# KiCad board KlusterLab r2.0.kicad_pcb (continued)
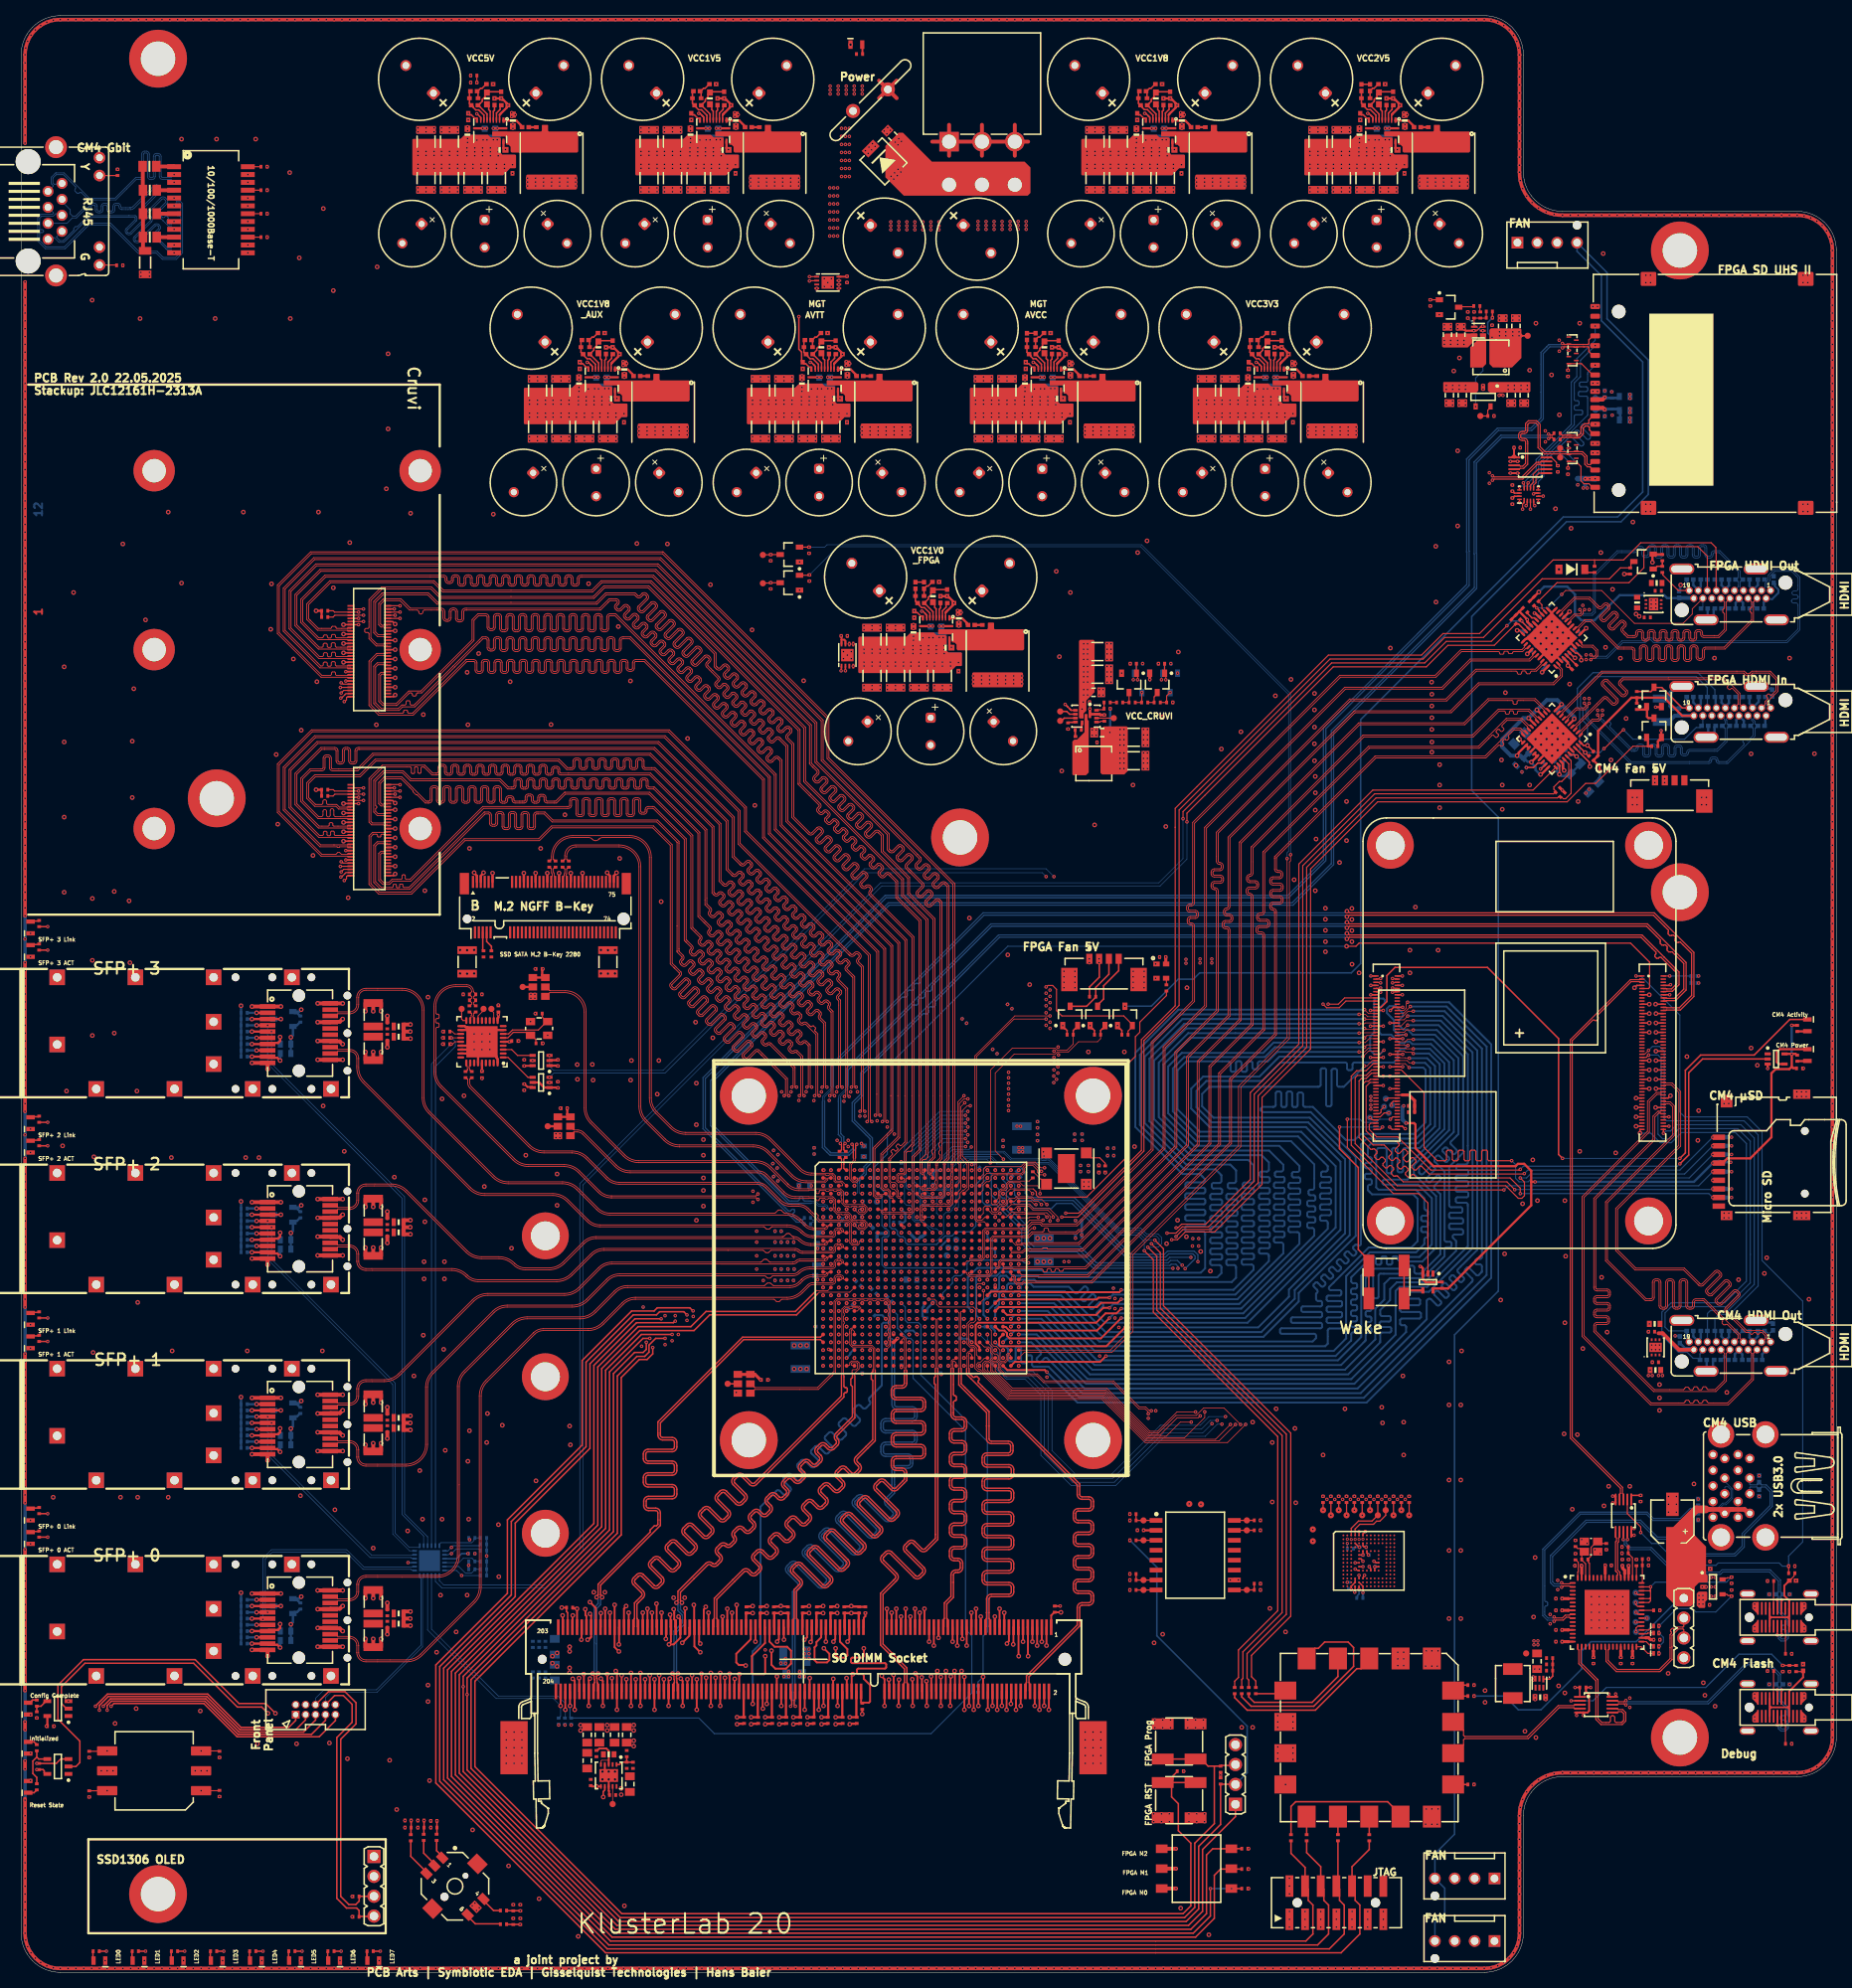
[diagram p0: board, top side]
## Routing (per net, layer and track width the routed paths; a pad name or vN(x,y) marks a point on that pad's centre or on a via; arc(x,y) is an arc through that point) (continued)
DDR3_DQS3_P: length 65.5
  L1 Top w0.1: U1.Y15 116.84,83.5 116.9,83.44 116.9,77.2 116.84,77.14
  L1 Top w0.189: J1.64 112.83,35.98 112.83,36.96 112.89,37.02 112.89,38.76 109.84,41.81 109.84,48.44 111.7,50.3 arc(111.79,50.51) 111.7,50.72 110.02,52.41 arc(109.84,52.84) 110.02,53.27 110.44,53.69 arc(110.87,53.87) 111.31,53.69 114.33,50.67 arc(114.54,50.59) 114.75,50.67 115.17,51.09 arc(115.25,51.3) 115.17,51.51 112.93,53.75 arc(112.76,54.18) 112.93,54.61 113.35,55.03 arc(113.79,55.21) 114.22,55.03 115.12,54.14 arc(115.33,54.05) 115.54,54.14 116.84,55.44 116.84,55.94 116.84,75.1 116.7,75.24 116.7,76 116.84,76.14 116.84,77.14
DDR3_DQS4_N: length 70
  L1 Top w0.1: 109.16,76.94 109.1,77 109.1,79.75 108.75,80.1 106.3,80.1 106.1,80.3 106.1,82.04 106.16,82.1 106.27,82.1 106.5,81.87 U1.AB5
  L1 Top w0.189: J1.135 88.97,44.18 88.97,45.16 88.91,45.22 88.91,47.66 92.42,51.17 arc(92.63,51.26) 92.84,51.17 93.18,50.83 arc(93.62,50.65) 94.05,50.83 94.47,51.25 arc(94.65,51.68) 94.47,52.12 93.77,52.81 arc(93.69,53.02) 93.77,53.23 94.19,53.65 arc(94.4,53.74) 94.61,53.65 95.31,52.96 arc(95.74,52.78) 96.18,52.96 96.6,53.38 arc(96.78,53.81) 96.6,54.24 95.9,54.94 arc(95.81,55.15) 95.9,55.36 96.32,55.78 arc(96.53,55.87) 96.74,55.78 97.44,55.08 arc(97.87,54.9) 98.3,55.08 98.72,55.5 arc(98.9,55.94) 98.72,56.37 98.03,57.07 arc(97.94,57.28) 98.03,57.49 98.45,57.91 arc(98.66,57.99) 98.87,57.91 99.56,57.21 arc(100,57.03) 100.43,57.21 100.85,57.63 arc(101.03,58.06) 100.85,58.5 100.15,59.19 arc(100.07,59.4) 100.15,59.61 100.57,60.03 arc(100.78,60.12) 100.99,60.03 101.69,59.34 arc(102.12,59.16) 102.56,59.34 102.98,59.76 arc(103.16,60.19) 102.98,60.62 102.28,61.32 arc(102.19,61.53) 102.28,61.74 102.7,62.16 arc(102.91,62.25) 103.12,62.16 103.82,61.47 arc(104.25,61.29) 104.68,61.47 105.1,61.89 arc(105.28,62.32) 105.1,62.75 104.41,63.45 arc(104.32,63.66) 104.41,63.87 104.83,64.29 arc(105.04,64.38) 105.25,64.29 105.92,63.62 arc(106.35,63.44) 106.79,63.62 107.21,64.04 arc(107.39,64.47) 107.21,64.9 106.89,65.22 arc(106.8,65.43) 106.89,65.64 109.16,67.91 109.16,76.94
DDR3_DQS4_P: length 70.3
  L1 Top w0.1: 105.9,81.67 105.9,80.22 106.22,79.9 108.67,79.9 108.9,79.67 108.9,77 ; 105.9,81.67 105.9,82.12 106.08,82.3 106.24,82.3 106.44,82.5 U1.AA5 ; 105.9,81.67 105.9,81.88
  L1 Top w0.189: 108.86,77 108.86,76.76 108.66,76.56 108.66,75.8 108.84,75.62 108.84,68.04 106.66,65.86 arc(106.49,65.43) 106.67,65 106.98,64.68 arc(107.07,64.47) 106.98,64.26 106.56,63.84 arc(106.35,63.75) 106.14,63.84 105.47,64.51 arc(105.04,64.69) 104.6,64.51 104.18,64.09 arc(104,63.66) 104.18,63.22 104.88,62.53 arc(104.97,62.32) 104.88,62.11 104.46,61.69 arc(104.25,61.6) 104.04,61.69 103.34,62.38 arc(102.91,62.56) 102.48,62.38 102.06,61.96 arc(101.88,61.53) 102.06,61.1 102.75,60.4 arc(102.84,60.19) 102.75,59.98 102.33,59.56 arc(102.12,59.47) 101.91,59.56 101.22,60.26 arc(100.78,60.44) 100.35,60.26 99.93,59.84 arc(99.75,59.4) 99.93,58.97 100.63,58.27 arc(100.71,58.06) 100.63,57.85 100.21,57.43 arc(100,57.35) 99.79,57.43 99.09,58.13 arc(98.66,58.31) 98.22,58.13 97.8,57.71 arc(97.62,57.28) 97.8,56.84 98.5,56.15 arc(98.59,55.94) 98.5,55.73 98.08,55.31 arc(97.87,55.22) 97.66,55.31 96.96,56 arc(96.53,56.18) 96.1,56 95.68,55.58 arc(95.5,55.15) 95.68,54.72 96.37,54.02 arc(96.46,53.81) 96.37,53.6 95.95,53.18 arc(95.74,53.09) 95.53,53.18 94.84,53.88 arc(94.4,54.06) 93.97,53.88 93.55,53.46 arc(93.37,53.02) 93.55,52.59 94.25,51.89 arc(94.33,51.68) 94.25,51.47 93.83,51.05 arc(93.62,50.97) 93.41,51.05 93.06,51.4 arc(92.63,51.58) 92.2,51.4 88.59,47.79 88.59,45.22 88.53,45.16 88.53,44.18 J1.137
DDR3_DQS5_N: length 69.3
  L1 Top w0.1: 106.56,76.24 106.5,76.3 106.5,76.52 107.1,77.12 107.1,77.88 106.88,78.1 106.12,78.1 105.9,77.88 105.9,77.64 105.84,77.58 105.58,77.58 U1.AF4
  L1 Top w0.189: J1.152 83.87,35.98 83.87,36.96 83.81,37.02 83.81,37.53 83.75,37.59 83.75,37.87 83.95,38.06 v2(83.95,38.17) ; v2(84.45,47.23) 84.45,47.34 84.26,47.53 84.26,48.56 87.73,52.03 arc(87.94,52.12) 88.15,52.03 arc(88.58,51.85) 89.02,52.03 89.44,52.45 arc(89.62,52.88) 89.44,53.32 89.12,53.64 arc(89.03,53.85) 89.12,54.06 89.54,54.48 arc(89.75,54.57) 89.96,54.48 arc(90.39,54.3) 90.82,54.48 91.24,54.9 arc(91.42,55.33) 91.24,55.77 arc(91.16,55.98) 91.24,56.19 91.66,56.61 arc(91.87,56.69) 92.08,56.61 92.43,56.26 arc(92.86,56.08) 93.3,56.26 93.72,56.68 arc(93.89,57.11) 93.72,57.55 93.34,57.92 arc(93.25,58.13) 93.34,58.34 93.76,58.76 arc(93.97,58.85) 94.18,58.76 ; 106.56,76.24 106.56,70.86 104.33,68.63 arc(104.24,68.42) 104.33,68.21 104.35,68.18 arc(104.53,67.75) 104.35,67.31 103.93,66.89 arc(103.5,66.71) 103.07,66.89 102.69,67.27 arc(102.48,67.36) 102.27,67.27 101.85,66.85 arc(101.76,66.64) 101.85,66.43 102.23,66.05 arc(102.4,65.62) 102.23,65.19 101.81,64.77 arc(101.37,64.59) 100.94,64.77 100.56,65.15 arc(100.35,65.23) 100.14,65.15 99.72,64.73 arc(99.63,64.52) 99.72,64.31 100.1,63.93 arc(100.28,63.49) 100.1,63.06 99.68,62.64 arc(99.24,62.46) 98.81,62.64 98.43,63.02 arc(98.22,63.11) 98.01,63.02 97.59,62.6 arc(97.5,62.39) 97.59,62.18 97.97,61.8 arc(98.15,61.37) 97.97,60.93 97.55,60.51 arc(97.12,60.33) 96.68,60.51 96.3,60.89 arc(96.09,60.98) 95.88,60.89 95.46,60.47 arc(95.38,60.26) 95.46,60.05 95.84,59.67 arc(96.02,59.24) 95.84,58.81 95.42,58.38 arc(94.99,58.21) 94.56,58.38 94.18,58.76
  L12 Bottom w0.189: v2(83.95,38.17) 83.95,38.28 83.75,38.47 83.75,43.45 84.83,44.53 84.83,45.78 84.26,46.35 84.26,46.93 84.45,47.12 v2(84.45,47.23)
DDR3_DQS5_P: length 69.1
  L1 Top w0.1: U1.AF5 106.42,77.58 106.16,77.58 106.1,77.64 106.1,77.8 106.2,77.9 106.8,77.9 106.9,77.8 106.9,77.2 106.7,77 106.3,77 106.2,76.9 106.2,76.6 106.3,76.5 106.3,76.3 106.24,76.24
  L1 Top w0.189: v2(83.25,38.17) 83.25,38.06 83.44,37.87 83.44,37.46 83.49,37.4 83.49,37.02 83.43,36.96 83.43,35.98 J1.154 ; 106.24,76.24 106.24,76 106.04,75.8 106.04,75.04 106.24,74.84 106.24,70.99 104.1,68.85 arc(103.92,68.42) 104.1,67.98 104.13,67.96 arc(104.22,67.75) 104.13,67.54 103.71,67.12 arc(103.5,67.03) 103.29,67.12 102.91,67.5 arc(102.48,67.68) 102.04,67.5 101.62,67.08 arc(101.44,66.64) 101.62,66.21 102,65.83 arc(102.09,65.62) 102,65.41 101.58,64.99 arc(101.37,64.9) 101.16,64.99 100.78,65.37 arc(100.35,65.55) 99.92,65.37 99.5,64.95 arc(99.32,64.52) 99.5,64.08 99.88,63.7 arc(99.96,63.49) 99.88,63.28 99.45,62.86 arc(99.24,62.78) 99.03,62.86 98.65,63.24 arc(98.22,63.42) 97.79,63.24 97.37,62.82 arc(97.19,62.39) 97.37,61.96 97.75,61.58 arc(97.84,61.37) 97.75,61.16 97.33,60.74 arc(97.12,60.65) 96.91,60.74 96.53,61.11 arc(96.09,61.29) 95.66,61.11 95.24,60.69 arc(95.06,60.26) 95.24,59.83 95.62,59.45 arc(95.71,59.24) 95.62,59.03 95.2,58.61 arc(94.99,58.52) 94.78,58.61 94.4,58.99 arc(93.97,59.17) 93.53,58.99 93.11,58.57 arc(92.94,58.13) 93.11,57.7 93.49,57.32 arc(93.58,57.11) 93.49,56.9 93.07,56.48 arc(92.86,56.4) 92.65,56.48 92.31,56.83 arc(91.87,57.01) 91.44,56.83 91.02,56.41 arc(90.84,55.98) 91.02,55.54 arc(91.11,55.33) 91.02,55.12 90.6,54.7 arc(90.39,54.61) 90.18,54.7 arc(89.75,54.88) 89.31,54.7 88.89,54.28 arc(88.71,53.85) 88.89,53.42 89.21,53.09 arc(89.3,52.88) 89.21,52.67 88.79,52.25 arc(88.58,52.17) 88.37,52.25 arc(87.94,52.43) 87.51,52.25 83.95,48.69 83.95,47.53 83.75,47.34 v2(83.75,47.23)
  L12 Bottom w0.189: v2(83.25,38.17) 83.25,38.28 83.44,38.47 83.44,43.58 84.52,44.66 84.52,45.65 83.95,46.22 83.95,46.93 83.75,47.12 v2(83.75,47.23)
DDR3_DQS6_N: length 89.3
  L1 Top w0.1: U1.W5 106.87,84.5 107.1,84.73 107.1,84.84 107.04,84.9 106.3,84.9 106.2,84.8 105.9,84.8 105.8,84.9 105.33,84.9 105.1,84.67 105.1,84.3 105.2,84.2 105.2,83.9 105.1,83.8 105.1,83.2 105.2,83.1 105.2,82.9 105.1,82.8 105.1,76.3 105.16,76.24
  L1 Top w0.189: 91.22,62.95 91.64,63.37 arc(91.85,63.46) 92.06,63.37 93.11,62.33 arc(93.54,62.15) 93.97,62.33 95.22,63.57 105.16,73.51 105.16,73.89 arc(105.21,74.03) 105.35,74.08 105.43,74.08 arc(105.54,74.13) 105.59,74.24 105.59,74.56 arc(105.54,74.67) 105.43,74.72 105.35,74.72 arc(105.21,74.77) 105.16,74.91 105.16,76.24 ; J1.169 78.77,44.18 78.77,45.16 78.71,45.22 78.71,47.06 79.51,47.86 arc(79.68,48.29) 79.51,48.73 78.48,49.75 arc(78.39,49.96) 78.48,50.17 78.9,50.6 arc(79.11,50.68) 79.32,50.6 80.7,49.21 arc(81.13,49.03) 81.57,49.21 81.99,49.63 arc(82.17,50.07) 81.99,50.5 80.59,51.9 arc(80.5,52.11) 80.59,52.32 81.01,52.74 arc(81.22,52.83) 81.43,52.74 82.83,51.34 arc(83.26,51.16) 83.69,51.34 84.11,51.76 arc(84.29,52.19) 84.11,52.63 82.71,54.03 arc(82.63,54.24) 82.71,54.45 83.13,54.87 arc(83.34,54.95) 83.55,54.87 84.95,53.47 arc(85.39,53.29) 85.82,53.47 86.24,53.89 arc(86.42,54.32) 86.24,54.75 84.84,56.15 arc(84.75,56.36) 84.84,56.57 85.26,56.99 arc(85.47,57.08) 85.68,56.99 87.08,55.59 arc(87.51,55.41) 87.95,55.59 88.37,56.01 arc(88.55,56.45) 88.37,56.88 86.97,58.28 arc(86.88,58.49) 86.97,58.7 87.39,59.12 arc(87.6,59.21) 87.81,59.12 89.21,57.72 arc(89.64,57.54) 90.07,57.72 90.49,58.14 arc(90.67,58.57) 90.49,59.01 89.09,60.41 arc(89.01,60.62) 89.09,60.83 89.51,61.25 arc(89.72,61.33) 89.93,61.25 91.33,59.85 arc(91.77,59.67) 92.2,59.85 92.62,60.27 arc(92.8,60.7) 92.62,61.13 91.22,62.53 arc(91.13,62.74) 91.22,62.95
DDR3_DQS6_P: length 89.4
  L1 Top w0.1: 106.2,85.1 106.67,85.1 107.12,85.1 107.3,84.92 107.3,84.76 107.5,84.56 U1.W6 ; 106.88,85.1 105.25,85.1 104.9,84.75 104.9,76.3 104.84,76.24
  L1 Top w0.189: J1.171 78.33,44.18 78.33,45.16 78.39,45.22 78.39,47.19 79.28,48.08 arc(79.37,48.29) 79.28,48.5 78.25,49.53 arc(78.07,49.96) 78.25,50.4 78.67,50.82 arc(79.11,51) 79.54,50.82 80.92,49.44 arc(81.13,49.35) 81.34,49.44 81.76,49.86 arc(81.85,50.07) 81.76,50.28 80.36,51.68 arc(80.18,52.11) 80.36,52.54 80.78,52.96 arc(81.22,53.14) 81.65,52.96 83.05,51.56 arc(83.26,51.48) 83.47,51.56 83.89,51.98 arc(83.98,52.19) 83.89,52.4 82.49,53.8 arc(82.31,54.24) 82.49,54.67 82.91,55.09 arc(83.34,55.27) 83.78,55.09 85.18,53.69 arc(85.39,53.6) 85.6,53.69 86.02,54.11 arc(86.1,54.32) 86.02,54.53 84.62,55.93 arc(84.44,56.36) 84.62,56.8 85.04,57.22 arc(85.47,57.4) 85.9,57.22 87.3,55.82 arc(87.51,55.73) 87.72,55.82 88.14,56.24 arc(88.23,56.45) 88.14,56.66 86.74,58.06 arc(86.56,58.49) 86.74,58.92 87.16,59.34 arc(87.6,59.52) 88.03,59.34 89.43,57.94 arc(89.64,57.86) 89.85,57.94 90.27,58.36 arc(90.36,58.57) 90.27,58.78 88.87,60.18 arc(88.69,60.62) 88.87,61.05 89.29,61.47 arc(89.72,61.65) 90.16,61.47 91.56,60.07 arc(91.77,59.98) 91.98,60.07 92.4,60.49 arc(92.48,60.7) 92.4,60.91 91,62.31 arc(90.82,62.74) 91,63.18 91.42,63.6 arc(91.85,63.78) 92.28,63.6 93.33,62.55 arc(93.54,62.46) 93.75,62.55 94.99,63.79 104.84,73.64 104.84,76.24
DDR3_DQS7_N: length 84.4
  L1 Top w0.189: v2(73.75,38.17) 73.75,38.06 73.55,37.87 73.55,37.59 73.61,37.53 73.61,37.02 73.67,36.96 73.67,35.98 J1.186 ; v2(74.25,47.93) 74.25,48.04 74.06,48.23 74.06,49.46 81.7,57.1 81.7,58.7 arc(81.52,59.14) 81.09,59.31 80.19,59.31 arc(79.98,59.4) 79.89,59.61 79.89,60.21 arc(79.98,60.42) 80.19,60.5 83.2,60.5 arc(83.63,60.68) 83.81,61.12 83.81,61.71 arc(83.63,62.14) 83.2,62.32 80.13,62.32 arc(79.92,62.41) 79.83,62.62 79.83,63.21 arc(79.92,63.42) 80.13,63.51 83.2,63.51 arc(83.63,63.69) 83.81,64.12 83.81,64.72 arc(83.63,65.15) 83.2,65.33 80.13,65.33 arc(79.92,65.42) 79.83,65.63 79.83,66.22 arc(79.92,66.43) 80.13,66.52 83.2,66.52 arc(83.63,66.7) 83.81,67.13 83.81,67.73 arc(83.63,68.16) 83.2,68.34 82,68.34 arc(81.79,68.43) 81.7,68.64 81.7,70.2 92.34,80.84 102.16,80.84 U1.AC1
  L12 Bottom w0.189: v2(73.75,38.17) 73.75,38.28 73.55,38.47 73.55,41.99 73.56,42 73.56,46.48 74.06,46.99 74.06,47.63 74.25,47.82 v2(74.25,47.93)
DDR3_DQS7_P: length 85.1
  L1 Top w0.189: v2(73.55,47.93) 73.55,48.04 73.75,48.23 73.75,49.59 80.4,56.24 80.4,56.52 80.93,57.06 81.21,57.06 81.38,57.23 81.38,58.7 arc(81.3,58.91) 81.09,59 80.19,59 arc(79.75,59.18) 79.57,59.61 79.57,60.21 arc(79.75,60.64) 80.19,60.82 83.2,60.82 arc(83.41,60.91) 83.49,61.12 83.49,61.71 arc(83.41,61.92) 83.2,62.01 80.13,62.01 arc(79.7,62.19) 79.52,62.62 79.52,63.21 arc(79.7,63.65) 80.13,63.83 83.2,63.83 arc(83.41,63.91) 83.49,64.12 83.49,64.72 arc(83.41,64.93) 83.2,65.02 80.13,65.02 arc(79.7,65.19) 79.52,65.63 79.52,66.22 arc(79.7,66.66) 80.13,66.83 83.2,66.83 arc(83.41,66.92) 83.49,67.13 83.49,67.73 arc(83.41,67.94) 83.2,68.02 82,68.02 arc(81.56,68.2) 81.38,68.64 81.38,70.33 92.21,81.16 102.16,81.16 U1.AB1 ; J1.188 73.23,35.98 73.23,36.96 73.29,37.02 73.29,37.4 73.24,37.46 73.24,37.87 73.05,38.06 v2(73.05,38.17)
  L12 Bottom w0.189: v2(73.55,47.93) 73.55,47.82 73.75,47.63 73.75,47.12 73.24,46.61 73.24,42.13 73.24,42.12 73.24,38.47 73.05,38.28 v2(73.05,38.17)
DDR3_ODT0: length 61.5
  L1 Top w0.249: J1.116 94.78,35.88 94.78,33.73 v2(94.8,33.7)
  L10 Inner9 (Sig) w0.154: v2(94.8,33.7) 93.2,33.7 92.9,34 92.9,36.9 98.3,42.3 98.3,47.8 111,60.5 111,78.8 111.3,79.1 111.3,80.9 111,81.2 111,81.7 110.7,82 110.06,82 109.56,82.5 v1(109.5,82.5)
DDR3_ODT1: length 79.3
  L1 Top w0.249: v2(93.5,34.3) 93.53,34.33 93.53,35.88 J1.120
  L12 Bottom w0.249: v2(93.5,34.3) 93.5,41 94.5,42 94.5,59.5 96.52,61.52 arc(96.74,61.61) 96.96,61.52 97.42,61.06 arc(97.64,60.97) 97.86,61.06 98.31,61.5 arc(98.4,61.72) 98.31,61.94 97.49,62.76 arc(97.4,62.98) 97.49,63.2 97.93,63.64 arc(98.15,63.73) 98.38,63.64 99.19,62.83 arc(99.41,62.74) 99.63,62.83 100.07,63.27 arc(100.16,63.49) 100.07,63.71 99.26,64.52 arc(99.17,64.75) 99.26,64.97 99.7,65.41 arc(99.92,65.5) 100.14,65.41 100.96,64.59 arc(101.18,64.5) 101.4,64.59 101.84,65.04 arc(101.93,65.26) 101.84,65.48 101.03,66.29 arc(100.93,66.51) 101.03,66.73 101.47,67.17 arc(101.69,67.27) 101.91,67.17 102.72,66.36 arc(102.94,66.27) 103.16,66.36 103.6,66.8 arc(103.7,67.02) 103.6,67.24 102.79,68.06 arc(102.7,68.28) 102.79,68.5 103.23,68.94 arc(103.45,69.03) 103.67,68.94 104.49,68.13 arc(104.71,68.04) 104.93,68.13 105.37,68.57 arc(105.46,68.79) 105.37,69.01 104.56,69.82 arc(104.47,70.04) 104.56,70.26 105,70.71 arc(105.22,70.8) 105.44,70.71 106.25,69.89 arc(106.48,69.8) 106.7,69.89 107.14,70.33 arc(107.23,70.56) 107.14,70.78 106.39,71.52 arc(106.3,71.74) 106.39,71.97 106.83,72.41 arc(107.05,72.5) 107.27,72.41 107.56,72.12 arc(107.78,72.03) 108,72.12 108.44,72.56 arc(108.54,72.78) 108.44,73 arc(108.35,73.22) 108.44,73.44 110,75 110,82.8 110.2,83 110.85,83 111,83.15 111,85 v1(110.5,85.5)
DDR3_SCL: length 31.5
  L1 Top w0.249: v2(68.95,34.05) J1.202
  L12 Bottom w0.1: R13.1 68.75,32.5 68.89,32.64 68.89,32.69 68.95,32.75 v2(68.95,34.05) 68,35 60.7,35 51.95,43.75 U22.4
DDR3_SDA: length 32.1
  L1 Top w0.249: v2(69.55,33.55) J1.200
  L12 Bottom w0.1: U22.3 52.45,43.85 61,35.3 68.6,35.3 69.55,34.35 v2(69.55,33.55) 69.55,32.55 R12.1
DDR3_~{CAS: length 62.5
  L1 Top w0.249: v2(95.1,40.4) 95.1,38.25 94.95,38.1 93.55,38.1 93.4,38.25 93.4,40.4 95.08,42.08 95.08,44.08 J1.115
  L10 Inner9 (Sig) w0.154: v1(108.5,82.5) 108.52,82.48 108.52,82.18 109,81.7 109,81.3 109.3,81 109.57,81 110,80.57 110,79.2 109.8,79 109.8,77.5 110,77.3 110,61.5 96.5,48 96.5,44 94.2,41.7 94.2,40.6 93.89,40.29 93.89,39.89 93.98,39.8 94.9,39.8 95.08,39.98 95.08,40.38 v2(95.1,40.4)
DDR3_~{EVENT: length 110.8
  L1 Top w0.249: v2(70.15,34.05) J1.198
  L12 Bottom w0.15: v2(70.15,34.05) 70.15,32.64 70.29,32.5 R14.1 86.61,32.5 88.6,30.5 116.3,30.5 121.5,35.7 121.5,43 120.7,43.8 120.7,69.2 114,75.9 114,80.7 113.7,81 113.3,81 112,82.3 112,84 v1(111.5,84.5)
DDR3_~{RAS: length 55.9
  L1 Top w0.249: J1.110 96.58,35.92 96.58,37.78 v2(96.6,37.8)
  L10 Inner9 (Sig) w0.15: 112,75.7 112,78.8 111.85,78.95 111.85,80.05 112.5,80.7 112.5,81.62 111.77,82.35 111.73,82.35 111.58,82.5 v1(111.5,82.5)
  L10 Inner9 (Sig) w0.154: v2(96.6,37.8) 97.3,37.1 98.5,37.1 98.9,37.5 98.9,41 99.5,41.6 99.5,47 112,59.5 112,75.7
DDR3_~{RESET: length 56.6
  L1 Top w0.249: J1.30 v2(122.95,37.75)
  L12 Bottom w0.15: v1(112.5,85.5) 113,85 113,83.3 113.3,83 114.7,83 115,82.7 115,76.3 123.5,67.8 123.5,43.5 122.95,42.95 v2(122.95,37.75) 122.3,37.1 R15.1
DDR3_~{S0: length 64.8
  L1 Top w0.249: v2(95.3,34.3) 95.33,34.33 95.33,35.88 J1.114
  L10 Inner9 (Sig) w0.154: v1(109.5,83.5) 110,83 110.57,83 111,82.57 111,82.3 111.2,82.1 111.66,82.1 111.9,81.86 111.9,81.47 111.6,81.16 111.6,78.9 111.5,78.8 111.5,60 98.9,47.4 98.9,42.04 95.3,38.44 95.3,37.11 arc(95.25,37) 95.15,36.96 95.03,36.96 arc(94.92,36.91) 94.87,36.81 94.87,36.51 arc(94.92,36.4) 95.03,36.35 96.78,36.35 arc(96.88,36.31) 96.93,36.2 96.93,35.9 arc(96.88,35.79) 96.78,35.75 94.5,35.75 arc(94.39,35.71) 94.35,35.6 94.35,35.3 arc(94.39,35.19) 94.5,35.15 95.15,35.15 arc(95.25,35.1) 95.3,34.99 v2(95.3,34.3)
DDR3_~{S1: length 66.6
  L1 Top w0.249: v2(92.6,39.2) 92.53,39.27 91.73,39.27 91.4,39.6 91.4,40.7 93.25,42.55 J1.121
  L10 Inner9 (Sig) w0.154: v1(108.5,85.5) 108,85 108,79.3 108.3,79 108.57,79 109,78.57 109,64.5 94.82,50.32 94.82,49.18 95.1,48.9 95.1,47.98 94.82,47.7 94.82,44.12 94.29,43.59 arc(94.18,43.54) 94.07,43.59 93.53,44.13 arc(93.43,44.17) 93.32,44.13 93.11,43.91 arc(93.06,43.81) 93.11,43.7 93.64,43.16 arc(93.69,43.05) 93.64,42.94 93.3,42.6 93.3,41.99 arc(93.25,41.88) 93.15,41.84 92.95,41.84 arc(92.84,41.79) 92.8,41.68 92.8,41.38 arc(92.84,41.28) 92.95,41.23 93.49,41.23 arc(93.59,41.19) 93.64,41.08 93.64,40.78 arc(93.59,40.67) 93.49,40.63 93.45,40.63 arc(93.35,40.58) 93.3,40.47 93.3,39.8 93.7,39.4 93.7,38.4 93.5,38.2 92.8,38.2 92.6,38.4 v2(92.6,39.2)
DDR3_~{WE: length 65.6
  L1 Top w0.249: v2(95.9,41.1) 95.9,39.3 96.4,38.8 97.75,38.8 98.4,39.45 98.4,41.1 97.9,41.6 96.3,41.6 95.65,42.25 J1.113
  L10 Inner9 (Sig) w0.154: v2(95.9,41.1) 95.9,42.5 96.4,43 97.4,43 97.64,43.24 97.64,43.36 97.35,43.65 97.35,43.95 97.7,44.3 97.7,44.5 arc(97.65,44.61) 97.55,44.66 97.17,44.66 arc(97.07,44.7) 97.02,44.81 97.02,45.11 arc(97.07,45.22) 97.17,45.26 97.55,45.26 arc(97.65,45.3) 97.7,45.41 97.7,48.2 110.5,61 110.5,77.7 110.05,78.15 110.05,78.75 110.3,79 110.7,79 111,79.3 111,80.7 110.7,81 110.1,81 109.9,81.2 109.9,81.4 109.9,81.4 109.9,81.8 109.7,82 109.2,82 109,82.2 109,82.61 109.2,82.81 109.2,83.2 109,83.4 109,83.9 108.9,84 108.7,84 108.5,83.8 v1(108.5,83.5)
DS1_D_N: length 47.6
  L1 Top w0.146: U7.2 198,49.25 197.89,49.36 197.11,49.36 196.97,49.22 v1(196.89,49.22)
  L12 Bottom w0.146: J9.2 220.93,61.93 221.02,62.01 221.85,62.01 221.93,61.93 221.93,61.88 D26.2 222.34,61.88 222.34,61.93 222.42,62.01 222.92,62.01 223.53,61.4 223.53,59.65 219.96,56.08 219.96,54.46 218.97,53.47 212.51,53.47 210.37,55.61 209.14,55.61 206.98,57.77 199.99,57.77 195.46,53.25 195.46,49.79 195.89,49.36 196.67,49.36 196.8,49.22 v1(196.89,49.22)
DS1_D_P: length 47.6
  L1 Top w0.146: v1(196.89,49.77) 196.97,49.77 197.1,49.64 ; 197.1,49.64 197.89,49.64 198,49.75 U7.1
  L12 Bottom w0.146: v1(196.89,49.77) 196.8,49.77 196.67,49.63 196.01,49.63 195.73,49.9 195.73,53.13 200.1,57.5 206.86,57.5 209.03,55.34 210.26,55.34 212.4,53.2 219.09,53.2 220.23,54.35 220.23,55.96 223.81,59.54 223.81,61.51 223.03,62.28 222.42,62.28 222.34,62.37 222.34,62.42 D27.2 221.93,62.42 221.93,62.37 221.85,62.28 221.02,62.28 220.93,62.37 J9.3
DS2_D_N: length 43.5
  L1 Top w0.146: v1(195.92,44.85) 196,44.85 196.15,45 197.1,45 197.46,45.36 197.89,45.36 198,45.25 U7.10
  L12 Bottom w0.1: J9.11 217.73,61.95 217.83,62.05 218.13,62.05 218.53,61.65 218.53,60.65 217.83,59.95 217.45,59.95 216.75,59.25 215.63,59.25 215.6,59.28
  L12 Bottom w0.146: v1(195.92,44.85) 195.84,44.85 195.7,44.99 195.06,44.99 194.48,45.57 194.48,54.08 199.2,58.8 207.83,58.8 208.64,57.99 212.04,57.99 213.34,59.28 214.05,59.28 214.13,59.37 214.13,59.42 D28.2 214.54,59.42 214.54,59.37 214.62,59.28 215.6,59.28
DS2_D_P: length 43.6
  L1 Top w0.146: v1(195.92,45.4) 196,45.4 196.14,45.27 196.99,45.27 197.35,45.64 197.89,45.64 198,45.75 U7.9
  L12 Bottom w0.1: 215.6,59.01 215.63,59.05 216.83,59.05 217.53,59.75 217.92,59.75 218.73,60.57 218.73,61.73 217.94,62.52 217.94,62.94 J9.12
  L12 Bottom w0.146: 215.6,59.01 214.62,59.01 214.54,58.93 214.54,58.88 D74.2 214.13,58.88 214.13,58.93 214.05,59.01 213.45,59.01 212.16,57.73 211.94,57.73 211.93,57.74 208.54,57.74 207.73,58.55 199.3,58.55 194.73,53.97 194.73,47.52 arc(194.77,47.4) 194.89,47.36 194.93,47.36 arc(195.05,47.31) 195.09,47.19 195.09,46.97 arc(195.05,46.86) 194.93,46.81 194.89,46.81 arc(194.77,46.76) 194.73,46.65 194.73,45.68 195.14,45.27 195.7,45.27 195.84,45.4 v1(195.92,45.4)
DS3_D_N: length 17.5
  L1 Top w0.146: U7.18 199.45,41.3 199.35,41.2 199.35,39.55 201.53,37.37 201.53,32.43 202.04,31.93 202.91,31.93 arc(203.07,31.99) 203.13,32.15 203.13,32.57 arc(203.19,32.73) 203.35,32.79 203.46,32.79 arc(203.61,32.73) 203.68,32.57 203.68,32.15 arc(203.74,31.99) 203.89,31.93 204.56,31.93 204.69,32.06 204.81,32.19 204.81,33.07 204.57,33.31 204.15,33.31 204.04,33.2 U9.6
DS3_D_P: length 17.5
  L1 Top w0.146: U7.17 198.95,41.32 199.08,41.19 199.08,39.43 201.26,37.25 201.26,32.32 201.92,31.66 204.63,31.66 205.09,32.11 205.09,33.18 204.68,33.58 204.15,33.58 204.03,33.7 U9.7
DS4_D_N: length 17.5
  L1 Top w0.146: U7.25 202.95,41.3 202.84,41.19 202.84,39.85 203.99,38.7 209.37,38.7 210.74,40.08 210.74,43.14 210.88,43.27 arc(210.93,43.39) 210.88,43.5 210.84,43.54 arc(210.79,43.65) 210.84,43.77 211,43.92 arc(211.11,43.97) 211.23,43.92 211.26,43.89 arc(211.38,43.84) 211.5,43.89 211.72,44.11 212.4,44.11 212.5,44.21 J15.2
DS4_D_P: length 17.5
  L1 Top w0.146: U7.24 202.45,41.3 202.56,41.19 202.56,39.74 203.87,38.43 209.36,38.43 209.37,38.44 209.49,38.44 209.63,38.59 209.63,38.6 210.99,39.96 210.99,43.03 211.82,43.87 212.4,43.87 212.5,43.77 J15.3
eMMC.CLK: length 82.8
  L3 Inner2 (Sig) w0.1: v1(124.5,99.5) 125.12,98.88 127.53,98.88 127.92,98.49 131.5,98.49 132.25,97.75 134.15,97.75 134.9,97 158.21,97 173.35,81.86 173.35,74.5 169.82,70.97 169.82,67.98 167.4,65.56 167.4,64.46 arc(167.46,64.32) 167.6,64.26 167.68,64.26 arc(167.88,64.06) 167.68,63.86 167.24,63.86 arc(167.04,63.66) 167.24,63.46 167.68,63.46 arc(167.88,63.26) 167.68,63.06 167.25,63.06 arc(167.05,62.86) 167.25,62.66 167.6,62.66 arc(167.8,62.46) 167.6,62.26 arc(167.46,62.2) 167.4,62.06 167.4,60.83 v1(167.4,60.82)
eMMC.CMD: length 82.3
  L3 Inner2 (Sig) w0.1: v1(166.4,60.82) 166.4,61.63 arc(166.34,61.77) 166.2,61.83 166.02,61.83 arc(165.82,62.03) 166.02,62.23 166.41,62.23 arc(166.61,62.43) 166.41,62.63 165.98,62.63 arc(165.78,62.83) 165.98,63.03 166.2,63.03 arc(166.34,63.09) 166.4,63.23 166.4,65.01 169.55,68.17 169.55,71.05 173.05,74.55 173.05,81.81 158.11,96.75 134.78,96.75 134.03,97.5 129.53,97.5 128.9,98.13 124.89,98.13 124.52,98.5 v1(123.5,98.5)
eMMC.D0: length 82.2
  L3 Inner2 (Sig) w0.1: v1(173.4,60.82) 173.4,60.83 173.4,62.73 arc(173.46,62.87) 173.6,62.93 arc(173.8,63.13) 173.6,63.33 173.42,63.33 arc(173.22,63.53) 173.42,63.73 173.82,63.73 arc(174.02,63.93) 173.82,64.13 173.6,64.13 arc(173.46,64.19) 173.4,64.33 173.4,67.85 174.9,69.35 174.9,82.44 158.84,98.5 135.55,98.5 134.8,99.25 133,99.25 131.45,100.8 130.5,100.8 128.17,103.13 126.11,103.13 v1(125.49,102.51)
eMMC.D1: length 83.6
  L3 Inner2 (Sig) w0.1: v1(174.4,60.82) 174.4,61.31 arc(174.34,61.46) 174.2,61.51 174.02,61.51 arc(173.82,61.71) 174.02,61.91 174.81,61.91 arc(175.01,62.11) 174.81,62.31 174.6,62.31 arc(174.45,62.37) 174.4,62.51 174.4,68.45 175.15,69.2 175.15,82.54 158.94,98.75 135.64,98.75 134.89,99.5 133.1,99.5 131.5,101.1 130.58,101.1 128.28,103.4 125.4,103.4 v1(124.5,102.5)
eMMC.D2: length 85.8
  L3 Inner2 (Sig) w0.1: v1(172.4,60.82) 172.4,60.83 172.4,61.57 arc(172.34,61.71) 172.2,61.77 arc(172,61.97) 172.2,62.17 172.62,62.17 arc(172.82,62.37) 172.62,62.57 172.15,62.57 arc(171.95,62.77) 172.15,62.97 172.68,62.97 arc(172.88,63.17) 172.68,63.37 172.15,63.37 arc(171.95,63.57) 172.15,63.77 172.68,63.77 arc(172.88,63.97) 172.68,64.17 172.15,64.17 arc(171.95,64.37) 172.15,64.57 172.68,64.57 arc(172.88,64.77) 172.68,64.97 172.15,64.97 arc(171.95,65.17) 172.15,65.37 172.68,65.37 arc(172.88,65.57) 172.68,65.77 172.15,65.77 arc(171.95,65.97) 172.15,66.17 172.68,66.17 arc(172.88,66.37) 172.68,66.57 172.6,66.57 arc(172.46,66.63) 172.4,66.77 172.4,67.32 174.65,69.57 174.65,82.32 158.73,98.24 135.44,98.24 134.68,99 132.85,99 131.35,100.5 v1(127.5,100.5)
eMMC.D3: length 86.4
  L1 Top w0.1: U1.D21 122.95,99.95 122.95,100.6 123.38,101.02 123.7,101.02 123.98,101.3 123.98,101.68 124.2,101.9 127.95,101.9 128.25,102.19 128.25,102.76 128.58,103.1 129.31,103.1 129.9,102.5 129.9,102.2 130.2,101.9 v1(130.8,101.9)
  L3 Inner2 (Sig) w0.1: v1(130.8,101.9) 130.82,101.88 131.12,101.88 133.25,99.75 134.99,99.75 135.74,99 159.04,99 175.4,82.64 175.4,62.07 arc(175.45,61.94) 175.58,61.89 175.66,61.89 arc(175.79,61.83) 175.84,61.71 175.84,61.67 arc(175.79,61.54) 175.66,61.49 175.58,61.49 arc(175.45,61.43) 175.4,61.31 175.4,60.83 v1(175.4,60.82)
eMMC.D4: length 86.4
  L3 Inner2 (Sig) w0.1: v1(171.4,60.82) 171.4,66.75 172.45,67.8 172.45,68.69 arc(172.39,68.83) 172.25,68.89 172.22,68.89 arc(172.02,69.09) 172.22,69.29 173.22,69.29 arc(173.42,69.49) 173.22,69.69 172.2,69.69 arc(172,69.89) 172.2,70.09 173.22,70.09 arc(173.42,70.29) 173.22,70.49 172.2,70.49 arc(172,70.69) 172.2,70.89 173.22,70.89 arc(173.42,71.09) 173.22,71.29 172.65,71.29 arc(172.51,71.35) 172.45,71.49 172.45,72.2 174.4,74.15 174.4,82.23 158.63,98 135.33,98 134.58,98.75 132.75,98.75 131.38,100.12 125.88,100.12 v1(125.5,100.5)
eMMC.D5: length 88.6
  L1 Top w0.1: v1(130.4,102.35) 129.45,103.3 128.46,103.3 128.05,102.88 128.05,102.28 127.87,102.1 123.45,102.1 122.97,101.62 122.97,100.97 U1.C21